# Altium PCB choko_keyboard_right.PcbDoc (part 1 of 2)
Units mm, origin at the board's own origin, x right, y up, seen from the top; angles counter-clockwise.
Board outline 148.18 x 100.99 mm, 2 copper layers (Top Layer, Bottom Layer); 105 components, 92 nets, 485 pads, 615 vias.
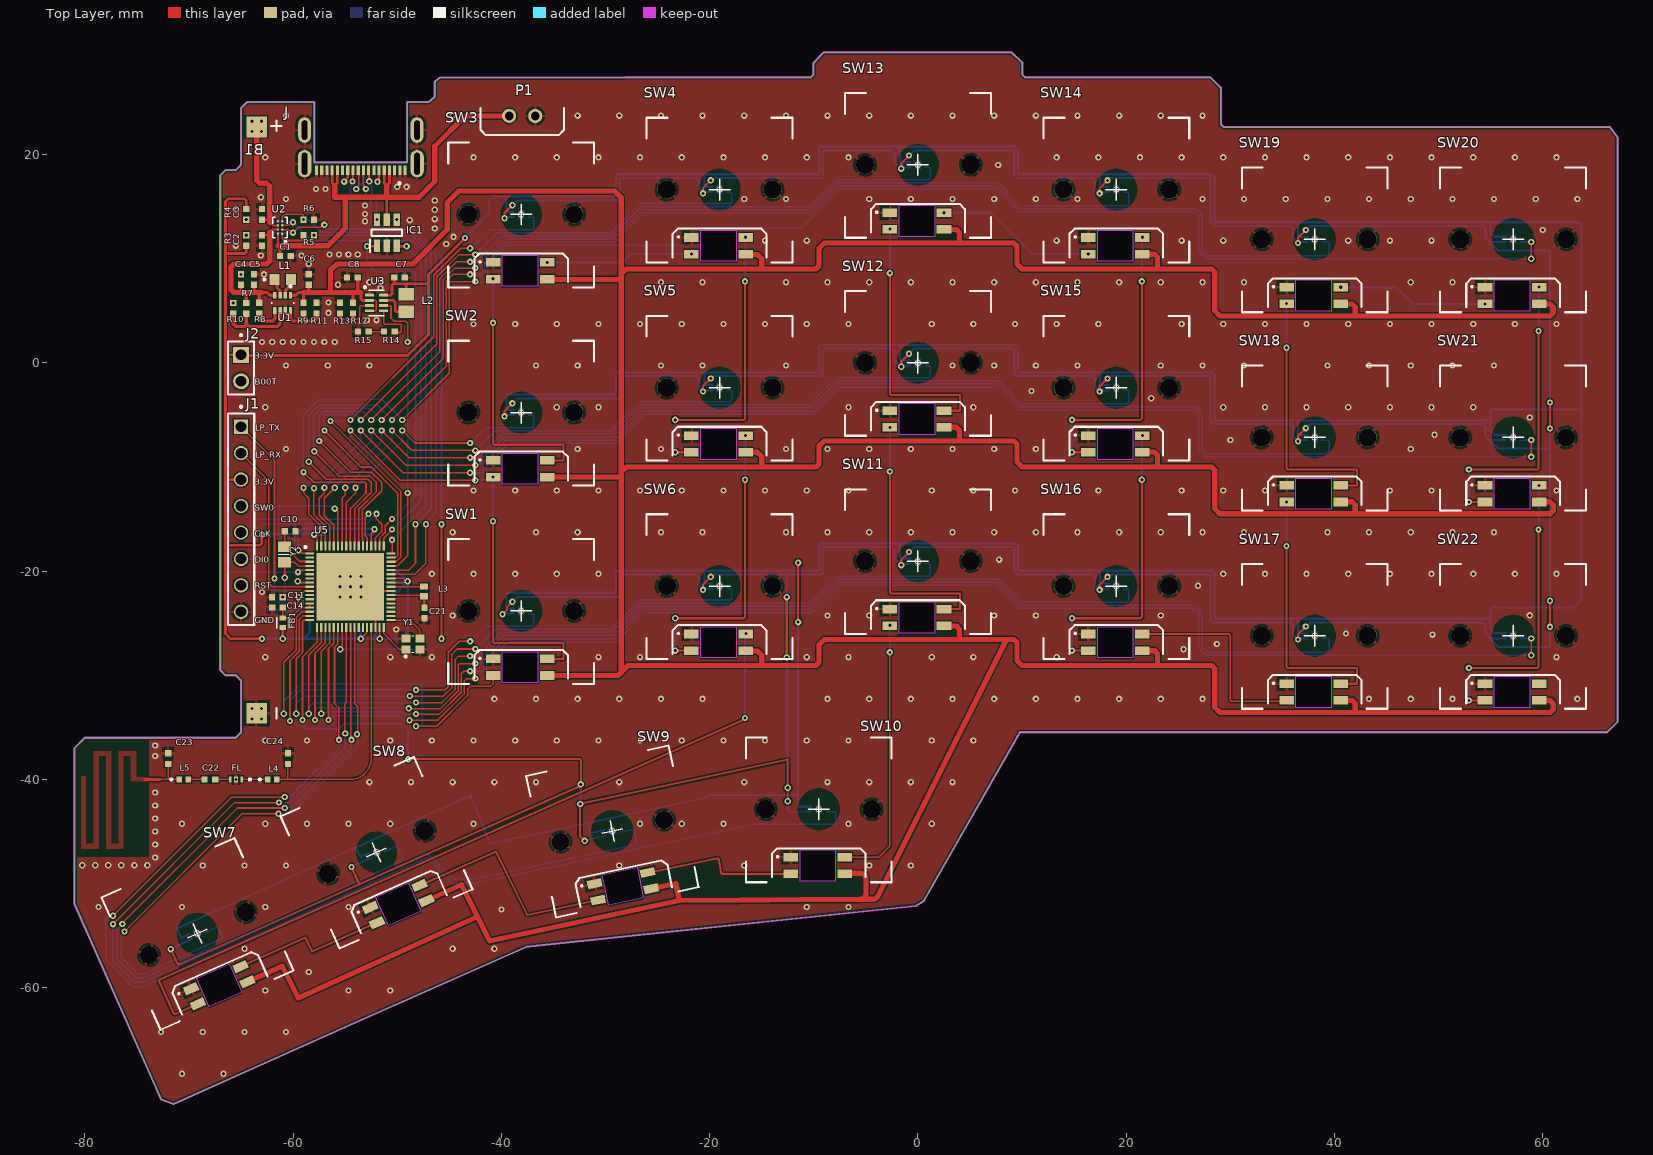
[diagram p0: Top Layer view]
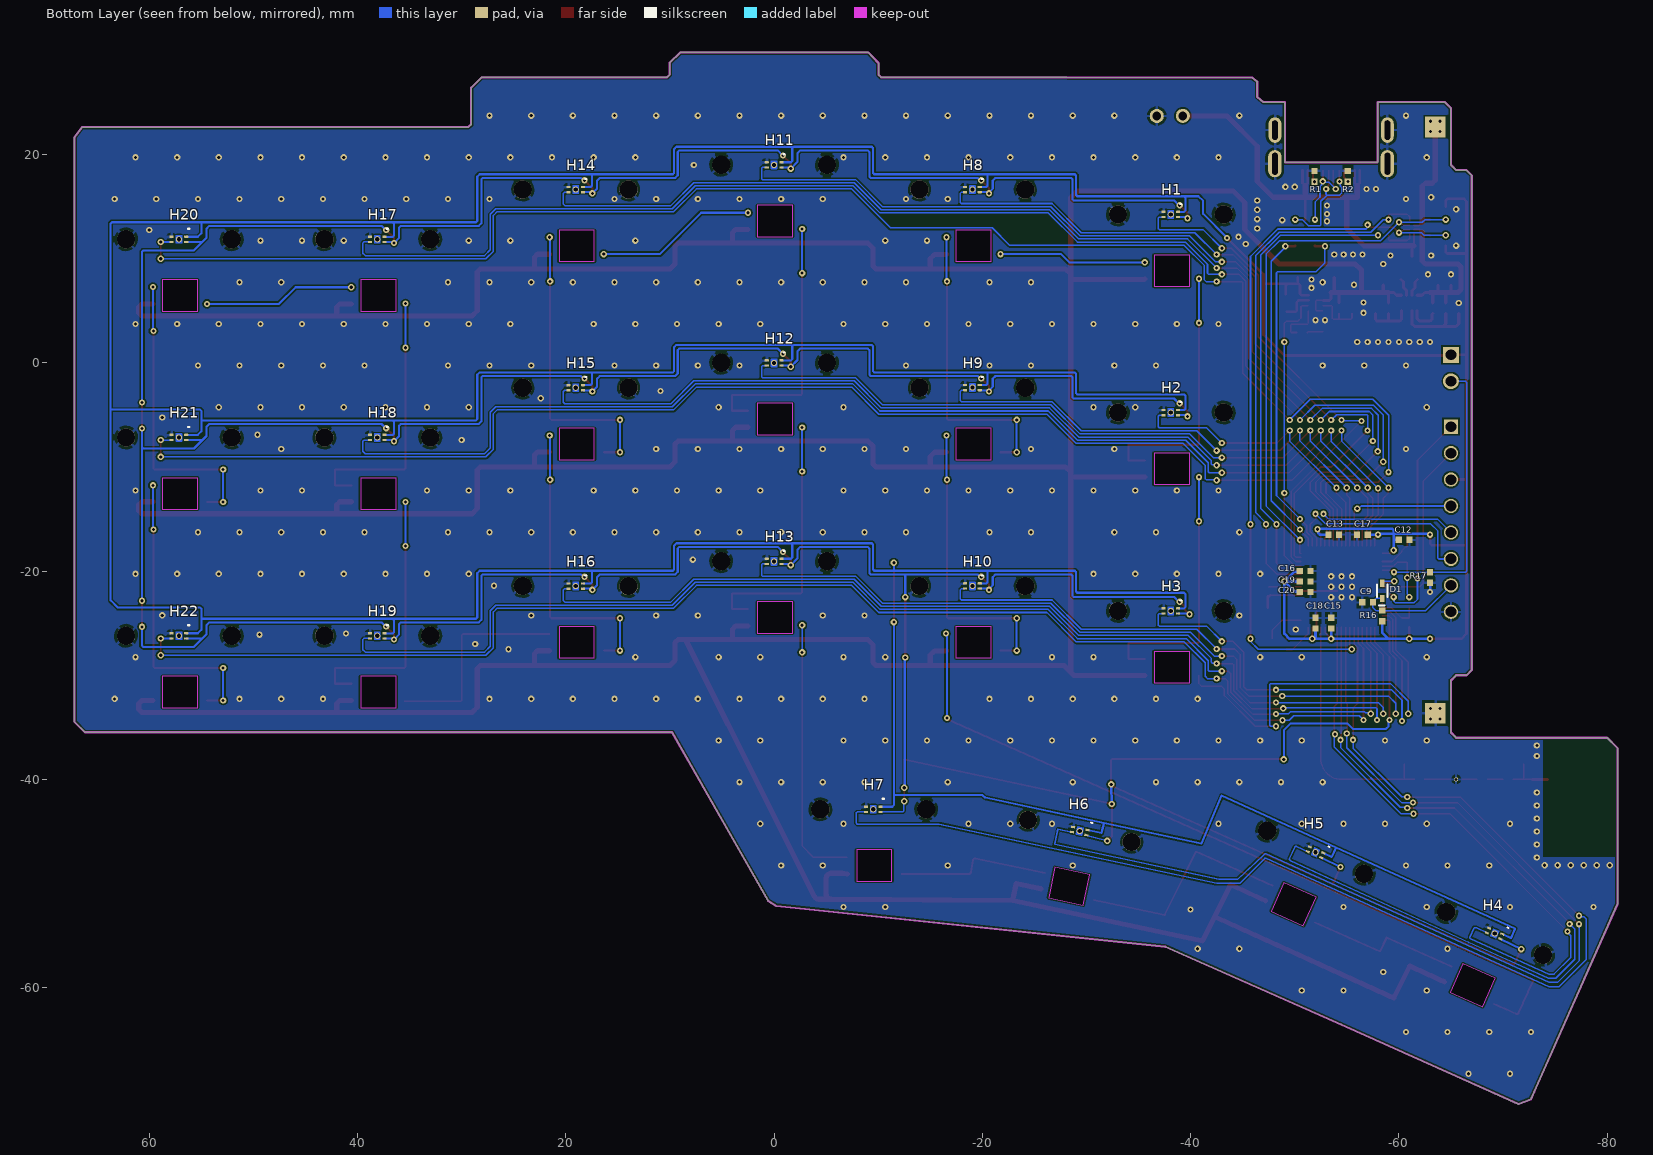
[diagram p1: Bottom Layer view, seen from below]

## Layer stack, top to bottom
Top Solder: solder mask 0.0102, Solder Resist, Dk 3.5
Top Layer: signal copper 0.0356
Dielectric 1: dielectric 0.32, FR-4, Dk 4.8
Bottom Layer: signal copper 0.0356
Bottom Solder: solder mask 0.0102, Solder Resist, Dk 3.5

## Board outline
-73,-70 -80.977,-51.99 -81,-52 -81,-37 -80,-36 -65.5,-36 -65,-35.5 -65,-35 -65,-30.5 -65.5,-30 -66.5,-30 -67,-29.5 -67,18 -66.5,18.5 -65.5,18.5 -65,19 -65,24.462 -64.43,25.032 -57.95,25.032 -57.95,19.241 -49.05,19.241 -49.05,25.032 -47,25.032 -46.4,25.532 -46.4,27 -45.9,27.4 -28.092,27.42 -10.28,27.42 -10.033,27.667 -10.033,28.791 -9.042,29.807 9.017,29.807 10.033,28.817 10.033,27.667 10.28,27.42 28.067,27.42 29.083,26.429 29.083,22.917 29.355,22.645 66.446,22.645 67.183,21.679 67.183,-34.48 66.18,-35.471 9.804,-35.471 0.559,-51.676 -0.203,-52.158 -37.567,-56.07 -54.458,-63.538 -71.496,-71.183 -72.676,-70.729

## Design rules (kind name [scope] priority, off if disabled: settings)
Clearance [All] p1: gap=0.15 ignorepadtopadclearanceinfootprint=FALSE except(0: Arc-Hole Track-Hole SMDPad-Hole THPad-Hole Via-Hole Fill-Hole Poly-Hole Region-Hole Text-Hole)
PolygonConnect [All] p1: thpad.connectstyle=Relief thpad.reliefconductorwidth=0.254 thpad.reliefentries=4 thpad.polygonreliefangle="90 Angle" thpad.airgapwidth=0.254 smdpad.connectstyle=Relief smdpad.reliefconductorwidth=0.254 smdpad.reliefentries=4 smdpad.polygonreliefangle="90 Angle" smdpad.airgapwidth=0.254 via.connectstyle=Direct via.reliefconductorwidth=0.254 via.reliefentries=4 via.polygonreliefangle="90 Angle" via.airgapwidth=0.254
RoutingVias [All] p1: holewidth=0.711 width=1.27 viastyle="Through Hole" minholewidth=0.3 minwidth=0.6 maxholewidth=0.711 maxwidth=1.27
SolderMaskExpansion [All] p1: expansion=0.102 istentingtop=FALSE
Width [All] p1: maxlimit=0.5 minlimit=0.15 preferedwidth=0.2
30 further rules are at their usual default settings.

## Classes and differential pairs
component class power_supply: B1 C1 C2 C3 C4 C5 C6 C7 C8 IC1 J L1 L2 P1 R1 R2 R3 R4 R5 R6 R7 R8 R9 R10 R11 R12 R13 R14 R15 U1 U2 U3
component class mcu: C9 C10 C11 C12 C13 C14 C15 C16 C17 C18 C19 C20 C21 C22 C23 C24 D1 FB1 FL J1 J2 L3 L4 L5 R16 R17 U5 Y1 Y2
component class led: SW1 SW2 SW3 SW4 SW5 SW6 SW7 SW8 SW9 SW10 SW11 SW12 SW13 SW14 SW15 SW16 SW17 SW18 SW19 SW20 SW21 SW22
component class hall_sensors: H1 H2 H3 H4 H5 H6 H7 H8 H9 H10 H11 H12 H13 H14 H15 H16 H17 H18 H19 H20 H21 H22

## Components (designator, comment, footprint, x,y, rotation, side; value= is the part's Value field where it differs from the comment)
B1 "Battery_holder" "BATTERY CONNECTION" -71,-5.25 r180 top locked
C1 "1uF" CAP_0402 -60.75,10.25 r180 top
C2 "10uF" CAP_0402 -63,11.75 r90 top
C3 "1uF" CAP_0402 -63,14.25 r270 top
C4 "22uF" CAP_0402 -65,8 r90 top
C5 "22uF" CAP_0402 -63.75,8 r90 top
C6 "22uF" CAP_0402 -58.5,8 r90 top
C7 "10uF" CAP_0402 -49.788,8.2 r180 top
C8 "4.7uF" CAP_0402 -54.312,8.2 r180 top
C9 "100nF" CAP_0402 -57,-23 r0 bottom
C10 "10pF" CAP_0402 -60.292,-16.177 r180 top
C11 "10pF" CAP_0402 -61.512,-22.5 r0 top
C12 "100nF" CAP_0402 -60.5,-17 r0 bottom
C13 "100nF" CAP_0402 -53.75,-16.5 r0 bottom
C14 "100nF" CAP_0402 -61.5,-23.5 r0 top
C15 "100nF" CAP_0402 -53.5,-25 r270 bottom
C16 "100nF" CAP_0402 -51,-20 r0 bottom
C17 "100nF" CAP_0402 -56.5,-16.5 r180 bottom
C18 "100pF" CAP_0402 -52,-25 r270 bottom
C19 "4.7uF" CAP_0402 -51,-21 r0 bottom
C20 "100nF" CAP_0402 -51,-22 r0 bottom
C21 "4.7uF" CAP_0402 -47.394,-24.019 r90 top
C22 "10nF" CAP_0402 -68,-40 r180 top
C23 "1.2pF" CAP_0402 -72,-38 r90 top
C24 "0.8pF" CAP_0402 -60.5,-38 r270 top
D1 "0.3A" SODFL1608X70N -58.4,-21.9 r90 bottom
FB1 "120Ohm" BEADC1005X50N -61,-24.955 r90 top
FL "LFB182G45CGFD436" FIL_LFB182G45CGFD436 -65.5,-40 r180 top
H1 "TMAG5253" IC_TMAG5253BA3IQDMRR -38.1,14.249 r270 bottom locked
H2 "TMAG5253" IC_TMAG5253BA3IQDMRR -38.1,-4.775 r270 bottom locked
H3 "TMAG5253" IC_TMAG5253BA3IQDMRR -38.1,-23.825 r270 bottom locked
H4 "TMAG5253" IC_TMAG5253BA3IQDMRR -69.2,-54.8 r294 bottom locked
H5 "TMAG5253" IC_TMAG5253BA3IQDMRR -52,-47 r294 bottom locked
H6 "TMAG5253" IC_TMAG5253BA3IQDMRR -29.354,-44.96 r282 bottom
H7 "TMAG5253" IC_TMAG5253BA3IQDMRR -9.525,-42.875 r270 bottom
H8 "TMAG5253" IC_TMAG5253BA3IQDMRR -19.05,16.637 r270 bottom locked
H9 "TMAG5253" IC_TMAG5253BA3IQDMRR -19.05,-2.375 r270 bottom locked
H10 "TMAG5253" IC_TMAG5253BA3IQDMRR -19.05,-21.425 r270 bottom locked
H11 "TMAG5253" IC_TMAG5253BA3IQDMRR 0,19.012 r270 bottom locked
H12 "TMAG5253" IC_TMAG5253BA3IQDMRR 0,-0.013 r270 bottom locked
H13 "TMAG5253" IC_TMAG5253BA3IQDMRR 0,-19.063 r270 bottom locked
H14 "TMAG5253" IC_TMAG5253BA3IQDMRR 19.05,16.637 r270 bottom locked
H15 "TMAG5253" IC_TMAG5253BA3IQDMRR 19.05,-2.388 r270 bottom locked
H16 "TMAG5253" IC_TMAG5253BA3IQDMRR 19.05,-21.438 r270 bottom locked
H17 "TMAG5253" IC_TMAG5253BA3IQDMRR 38.1,11.862 r270 bottom locked
H18 "TMAG5253" IC_TMAG5253BA3IQDMRR 38.1,-7.163 r270 bottom locked
H19 "TMAG5253" IC_TMAG5253BA3IQDMRR 38.1,-26.213 r270 bottom locked
H20 "TMAG5253" IC_TMAG5253BA3IQDMRR 57.15,11.862 r270 bottom locked
H21 "TMAG5253" IC_TMAG5253BA3IQDMRR 57.15,-7.163 r270 bottom locked
H22 "TMAG5253" IC_TMAG5253BA3IQDMRR 57.15,-26.213 r270 bottom locked
IC1 "USBLC6-2SC6" SOT95P280X145-6N -51,12.5 r90 top
J "CX90M-16P" HRS_CX90M-16P -53.5,22.35 r180 top locked
J1 "TSW-108-X-X-S" SAMTEC_TSW-108-X-X-S -65,-15.02 r90 top locked
J2 "HTSW-102-07-TM-S" SAMTEC_HTSW-102-07-TM-S -65,-0.5 r90 top locked
L1 "1uH" INDC1608X100N -61,8 r0 top
L2 "2.2uH" INDC2012X100N -49.15,5.75 r90 top
L3 "10uH" INDC1106X70N -47.429,-21.937 r90 top
L4 "2.7nH" INDC1005X55N -62,-40 r180 top
L5 "3.6nH" INDC1005X55N -70.5,-40 r180 top
P1 "Pogo_pinsX2" pogo_2_pins_amgled -38,23.361 r0 top locked
R1 "5.1kR" RES_0402 -51.9,17.9 r90 bottom
R2 "5.1kR" RES_0402 -55.1,17.912 r90 bottom
R3 "5.1kR" RES_0402 -64.5,11.75 r270 top
R4 "5.1kR" RES_0402 -64.5,14.25 r90 top
R5 "10kR" RES_0402 -58.5,12.25 r0 top
R6 "10kR" RES_0402 -58.5,13.75 r0 top
R7 "100kR" RES_0402 -64.5,5.238 r270 top
R8 "100kR" RES_0402 -63.25,5.25 r270 top
R9 "806kR" RES_0402 -59,5.262 r270 top
R10 "100kR" RES_0402 -65.75,5.238 r270 top
R11 "91kR" RES_0402 -57.75,5.262 r270 top
R12 "100kR" RES_0402 -54.25,5.25 r270 top
R13 "100kR" RES_0402 -55.5,5.25 r270 top
R14 "240kR" RES_0402 -50.75,3 r180 top
R15 "27kR" RES_0402 -53.25,3 r0 top
R16 "1kR" RES_0402 -58.4,-24.3 r270 bottom
R17 "1kR" RES_0402 -62.993,-20.617 r90 bottom
SW1 "Switch" Switch -38.1,-23.825 r0 top locked
SW2 "Switch" Switch -38.1,-4.775 r0 top locked
SW3 "Switch" Switch -38.1,14.249 r0 top locked
SW4 "Switch" Switch -19.05,16.637 r0 top locked
SW5 "Switch" Switch -19.05,-2.388 r0 top locked
SW6 "Switch" Switch -19.05,-21.438 r0 top locked
SW7 "Switch" Switch -69.2,-54.8 r24 top locked
SW8 "Switch" Switch -52,-47 r24 top locked
SW9 "Switch" Switch -29.354,-44.96 r12 top locked
SW10 "Switch" Switch -9.525,-42.875 r0 top locked
SW11 "Switch" Switch 0,-19.05 r0 top locked
SW12 "Switch" Switch 0,0 r0 top locked
SW13 "Switch" Switch 0,19.012 r0 top locked
SW14 "Switch" Switch 19.05,16.637 r0 top locked
SW15 "Switch" Switch 19.05,-2.388 r0 top locked
SW16 "Switch" Switch 19.05,-21.438 r0 top locked
SW17 "Switch" Switch 38.1,-26.213 r0 top locked
SW18 "Switch" Switch 38.1,-7.163 r0 top locked
SW19 "Switch" Switch 38.1,11.862 r0 top locked
SW20 "Switch" Switch 57.15,11.862 r0 top locked
SW21 "Switch" Switch 57.15,-7.163 r0 top locked
SW22 "Switch" Switch 57.15,-26.213 r0 top locked
U1 "TPS631000DRLR" SOT50P160X60-8N -61,5.75 r270 top
U2 "BQ21080" IC_BQ25180YBGR -61.25,13 r180 top
U3 "TPS62840DLCR" SON50P200X150X100-8N -52,5.75 r0 top
U5 "STM32WB55RGV6" QFN40P800X800X100-69L-D -54.5,-21.5 r0 top
Y1 "32MHZ" NX2016SA32MEXS00ACS06465 -48.5,-27 r0 top
Y2 "32KHz" NX2012SA32768KSTDMUB1 -60.81,-18.391 r90 top

## Footprints (in the part's own frame and the unit in brackets; to place one, negate y for a bottom-side part, rotate by r counter-clockwise, add the part's x,y. Pads: shape width x height; smd on the part's side, far side on the other; paste and mask are expansions set on the pad)
"BATTERY CONNECTION" [mm]
  rect 2x2 smd: 1(-7.5,-27.9) 2(-7.5,28.4)
  rect 2x2 smd far side: 1(-7.5,-27.9) 2(-7.5,28.4)
  silkscreen extent -9.9,-28.5 -8.9,28.9, body extent -10.48,-28.9 10.73,29.4, height 9.11
BEADC1005X50N [mm]
  rect 0.49x0.6 smd: 1(-0.455,0) 2(0.455,0)
  silkscreen extent -0.53,-0.58 0.53,0.58, body extent -0.5,-0.25 0.5,0.25, height 0.55
CAP_0402 [mm]
  rect 0.6x0.6 smd: 1(-0.512,0) 2(0.512,0)
  body extent -0.5,-0.25 0.5,0.25, height 0.55
FIL_LFB182G45CGFD436 [mm]
  rect 0.25x0.55 smd mask+0: 1(-0.555,0) 3(0.555,0)
  rect 0.4x0.6 smd mask+0: 2(0,0)
  round 0.4 hole 0.3 mask+0: 2_1(0,0)
  silkscreen extent -1.45,-0.1 -1.25,0.1
HRS_CX90M-16P [mm]
  rect 0.3x0.9 smd: A1(-3.75,3.85) A4(-2.75,3.85) A5(-1.75,3.85) A6(-0.75,3.85) A7(0.75,3.85) A8(1.75,3.85) A9(2.75,3.85) A12(3.75,3.85) B1(3.25,3.85) B4(2.25,3.85) B5(1.25,3.85) B6(0.25,3.85) B7(-0.25,3.85) B8(-1.25,3.85) B9(-2.25,3.85) B12(-3.25,3.85) MID1(-4.25,3.85) MID2(4.25,3.85)
  oval 1.3x2.6 hole 0.55 slot 2.1 at 90 deg: S1(-5.4,3.23) S2(5.4,3.23)
  oval 1.225x2.45 hole 0.55 slot 1.85 at 90 deg: S3(-5.4,0) S4(5.4,0)
  silkscreen extent -3.8,5 -3.6,5.2, body extent -5.5,-2.51 5.5,4.04, height 1.61
IC_BQ25180YBGR [mm]
  round 0.23 smd paste-1 mask+0.05: A1(-0.2,0.6) A2(0.2,0.6) B1(-0.2,0.2) B2(0.2,0.2) C1(-0.2,-0.2) C2(0.2,-0.2) D1(-0.2,-0.6) D2(0.2,-0.6)
  silkscreen extent -0.7,-0.99 0.7,1.5, body extent -0.52,-0.79 0.52,0.79, height 0.5
IC_TMAG5253BA3IQDMRR [mm]
  rrect45% 0.22x0.4 smd mask+0: 1(-0.25,0.7) 2(-0.25,-0.7) 3(0.25,-0.7) 4(0.25,0.7)
  round 0.6 hole 0.4 mask+0: 5(0,0)
  Top Layer region: 0.358,0.299 0.36,0.299 0.363,0.298 0.365,0.298 0.368,0.297 0.37,0.296 0.373,0.295 0.375,0.293 0.377,0.292 0.379,0.29 0.381,0.289 0.383,0.287 0.385,0.285 0.387,0.283 0.389,0.281 0.39,0.279 0.392,0.277 0.393,0.275 0.395,0.273 0.396,0.27 0.397,0.268 0.398,0.265 0.398,0.263 0.399,0.26 0.399,0.258 0.4,0.255 0.4,0.253 0.4,0.25 0.4,-0.25 0.4,-0.253 0.4,-0.255 0.399,-0.258 0.399,-0.26 0.398,-0.263 0.398,-0.265 0.397,-0.268 0.396,-0.27 0.395,-0.273 0.393,-0.275 0.392,-0.277 0.39,-0.279 0.389,-0.281 0.387,-0.283 0.385,-0.285 0.383,-0.287 0.381,-0.289 0.379,-0.29 0.377,-0.292 0.375,-0.293 0.373,-0.295 0.37,-0.296 0.368,-0.297 0.365,-0.298 0.363,-0.298 0.36,-0.299 0.358,-0.299 0.355,-0.3 -0.355,-0.3 -0.358,-0.299 -0.36,-0.299 -0.363,-0.298 -0.365,-0.298 -0.368,-0.297 -0.37,-0.296 -0.373,-0.295 -0.375,-0.293 -0.377,-0.292 -0.379,-0.29 -0.381,-0.289 -0.383,-0.287 -0.385,-0.285 -0.387,-0.283 -0.389,-0.281 -0.39,-0.279 -0.392,-0.277 -0.393,-0.275 -0.395,-0.273 -0.396,-0.27 -0.397,-0.268 -0.398,-0.265 -0.398,-0.263 -0.399,-0.26 -0.399,-0.258 -0.4,-0.255 -0.4,-0.253 -0.4,-0.25 -0.4,0.25 -0.4,0.253 -0.4,0.255 -0.399,0.258 -0.399,0.26 -0.398,0.263 -0.398,0.265 -0.397,0.268 -0.396,0.27 -0.395,0.273 -0.393,0.275 -0.392,0.277 -0.39,0.279 -0.389,0.281 -0.387,0.283 -0.385,0.285 -0.383,0.287 -0.381,0.289 -0.379,0.29 -0.377,0.292 -0.375,0.293 -0.373,0.295 -0.37,0.296 -0.368,0.297 -0.365,0.298 -0.363,0.298 -0.36,0.299 -0.358,0.299 -0.355,0.3 0.355,0.3
  silkscreen extent -1.02,0.89 -1.02,1.02, body extent -0.55,-0.7 0.55,0.7, height 0.4
INDC1005X55N [mm]
  rect 0.54x0.6 smd: 1(-0.432,0) 2(0.432,0)
  silkscreen extent 1.1,-0.1 1.3,0.1
INDC1106X70N [mm]
  rect 0.61x0.78 smd: 1(-0.46,0) 2(0.46,0)
  body extent -0.55,-0.33 0.55,0.33, height 0.7
INDC1608X100N [mm]
  rect 0.94x1.02 smd: 1(-0.79,0) 2(0.79,0)
  silkscreen extent -1.86,-0.1 -1.66,0.1
INDC2012X100N [mm]
  rect 1.2x1.47 smd: 1(-0.86,0) 2(0.86,0)
  body extent -1,-0.63 1,0.63, height 0.55
NX2012SA32768KSTDMUB1 [mm]
  rect 1x1.25 smd: 1(-0.75,0) 2(0.75,0)
  silkscreen extent 0,-0.6 0,0.6, body extent -1.02,-0.6 1.02,0.6, height 0.55
NX2016SA32MEXS00ACS06465 [mm]
  rect 0.85x0.75 smd: 1(-0.675,-0.525) 2(-0.675,0.525) 2(0.675,-0.525) 3(0.675,0.525)
  silkscreen extent -0.8,-1.3 0.1,0.8, body extent -1,-0.73 1,0.87, height 0.46
pogo_2_pins_amgled [mm]
  round 1.35 hole 0.85 unplated: 1(-1.25,0.356) 2(1.25,0.339)
  silkscreen extent -4,-1.5 4,1.12, body extent -7.25,-0.01 7.25,6, height 4.08
QFN40P800X800X100-69L-D [mm]
  rect 0.85x0.2 smd: 1(-3.9,3.2) 2(-3.9,2.8) 3(-3.9,2.4) 4(-3.9,2) 5(-3.9,1.6) 6(-3.9,1.2) 7(-3.9,0.8) 8(-3.9,0.4) 9(-3.9,0) 10(-3.9,-0.4) 11(-3.9,-0.8) 12(-3.9,-1.2) 13(-3.9,-1.6) 14(-3.9,-2) 15(-3.9,-2.4) 16(-3.9,-2.8) 17(-3.9,-3.2) 35(3.9,-3.2) 36(3.9,-2.8) 37(3.9,-2.4) 38(3.9,-2) 39(3.9,-1.6) 40(3.9,-1.2) 41(3.9,-0.8) 42(3.9,-0.4) 43(3.9,0) 44(3.9,0.4) 45(3.9,0.8) 46(3.9,1.2) 47(3.9,1.6) 48(3.9,2) 49(3.9,2.4) 50(3.9,2.8) 51(3.9,3.2)
  rect 0.2x0.85 smd: 18(-3.2,-3.9) 19(-2.8,-3.9) 20(-2.4,-3.9) 21(-2,-3.9) 22(-1.6,-3.9) 23(-1.2,-3.9) 24(-0.8,-3.9) 25(-0.4,-3.9) 26(0,-3.9) 27(0.4,-3.9) 28(0.8,-3.9) 29(1.2,-3.9) 30(1.6,-3.9) 31(2,-3.9) 32(2.4,-3.9) 33(2.8,-3.9) 34(3.2,-3.9) 52(3.2,3.9) 53(2.8,3.9) 54(2.4,3.9) 55(2,3.9) 56(1.6,3.9) 57(1.2,3.9) 58(0.8,3.9) 59(0.4,3.9) 60(0,3.9) 61(-0.4,3.9) 62(-0.8,3.9) 63(-1.2,3.9) 64(-1.6,3.9) 65(-2,3.9) 66(-2.4,3.9) 67(-2.8,3.9) 68(-3.2,3.9)
  rect 6.5x6.5 smd: 69(0,0)
  silkscreen extent -4.42,3.7 -4.23,3.9
RES_0402 [mm]
  rect 0.6x0.6 smd: 1(-0.512,0) 2(0.512,0)
  body extent -0.5,-0.25 0.5,0.25, height 0.35
SAMTEC_HTSW-102-07-TM-S [mm]
  rect 1.53x1.53 hole 1.02: 01(1.27,0)
  round 1.53 hole 1.02: 02(-1.27,0)
  silkscreen extent -2.54,-1.24 3.26,1.24
SAMTEC_TSW-108-X-X-S [mm]
  rect 1.37x1.37 / inner round 1.37 / far side rect 1.37x1.37 hole 1.02: 01(8.89,0)
  round 1.37 hole 1.02: 02(6.35,0) 03(3.81,0) 04(1.27,0) 05(-1.27,0) 06(-3.81,0) 07(-6.35,0) 08(-8.89,0)
  silkscreen extent -10.16,-1.27 10.9,1.27
SODFL1608X70N [mm]
  rect 0.7x0.42 smd: 1(-0.725,0) 2(0.725,0)
  silkscreen extent -1.4,-0.5 0.6,0.5, body extent -0.8,-0.4 0.8,0.4, height 0.7
SON50P200X150X100-8N [mm]
  rrect25% 0.86x0.27 smd: 1(-0.685,0.75) 2(-0.685,0.25) 3(-0.685,-0.25) 4(-0.685,-0.75) 5(0.685,-0.75) 6(0.685,-0.25) 7(0.685,0.25) 8(0.685,0.75)
  silkscreen extent -1.21,-1.2 0.75,1.61, body extent -0.75,-1 0.75,1, height 1
SOT50P160X60-8N [mm]
  rect 0.66x0.32 smd mask+0.05: 1(-0.735,0.75) 2(-0.735,0.25) 3(-0.735,-0.25) 4(-0.735,-0.75) 5(0.735,-0.75) 6(0.735,-0.25) 7(0.735,0.25) 8(0.735,0.75)
  silkscreen extent -1.7,-1.05 0.09,1.05, body extent -0.8,-1.05 0.8,1.05, height 0.6
SOT95P280X145-6N [mm]
  rect 1.2x0.6 smd: 1(-1.25,0.95) 2(-1.25,0) 3(-1.25,-0.95) 4(1.25,-0.95) 5(1.25,0) 6(1.25,0.95)
  silkscreen extent -1.85,-1.46 0.3,1.6, body extent -1.4,-1.46 1.4,1.46, height 1.45
Switch [mm]
  rect 1.4x0.82 smd: 1(-2.7,-4.6) 2(-2.7,-6.2) 3(2.5,-6.2) 4(2.5,-4.6)
  round 1.75 hole 1.75 paste-2539.97 mask+0: 5(-5.08,0) 5(5.08,0)
  Top Layer pour cut-out: 0,2 0.765,1.848 1.414,1.414 1.848,0.765 2,0 2,0 1.848,-0.765 1.414,-1.414 0.765,-1.848 0,-2 0,-2 -0.765,-1.848 -1.414,-1.414 -1.848,-0.765 -2,0 -2,0 -1.848,0.765 -1.414,1.414 -0.765,1.848 0,2
  Keep-Out Layer board cut-out: 1.6,-3.9 1.6,-6.9 -1.8,-6.9 -1.8,-3.9
  silkscreen extent -7,-7 7,6.9, body extent -7.55,-8.05 7.55,8.05, height 15.27
